# KiCad board jorian.kicad_pcb (continued)
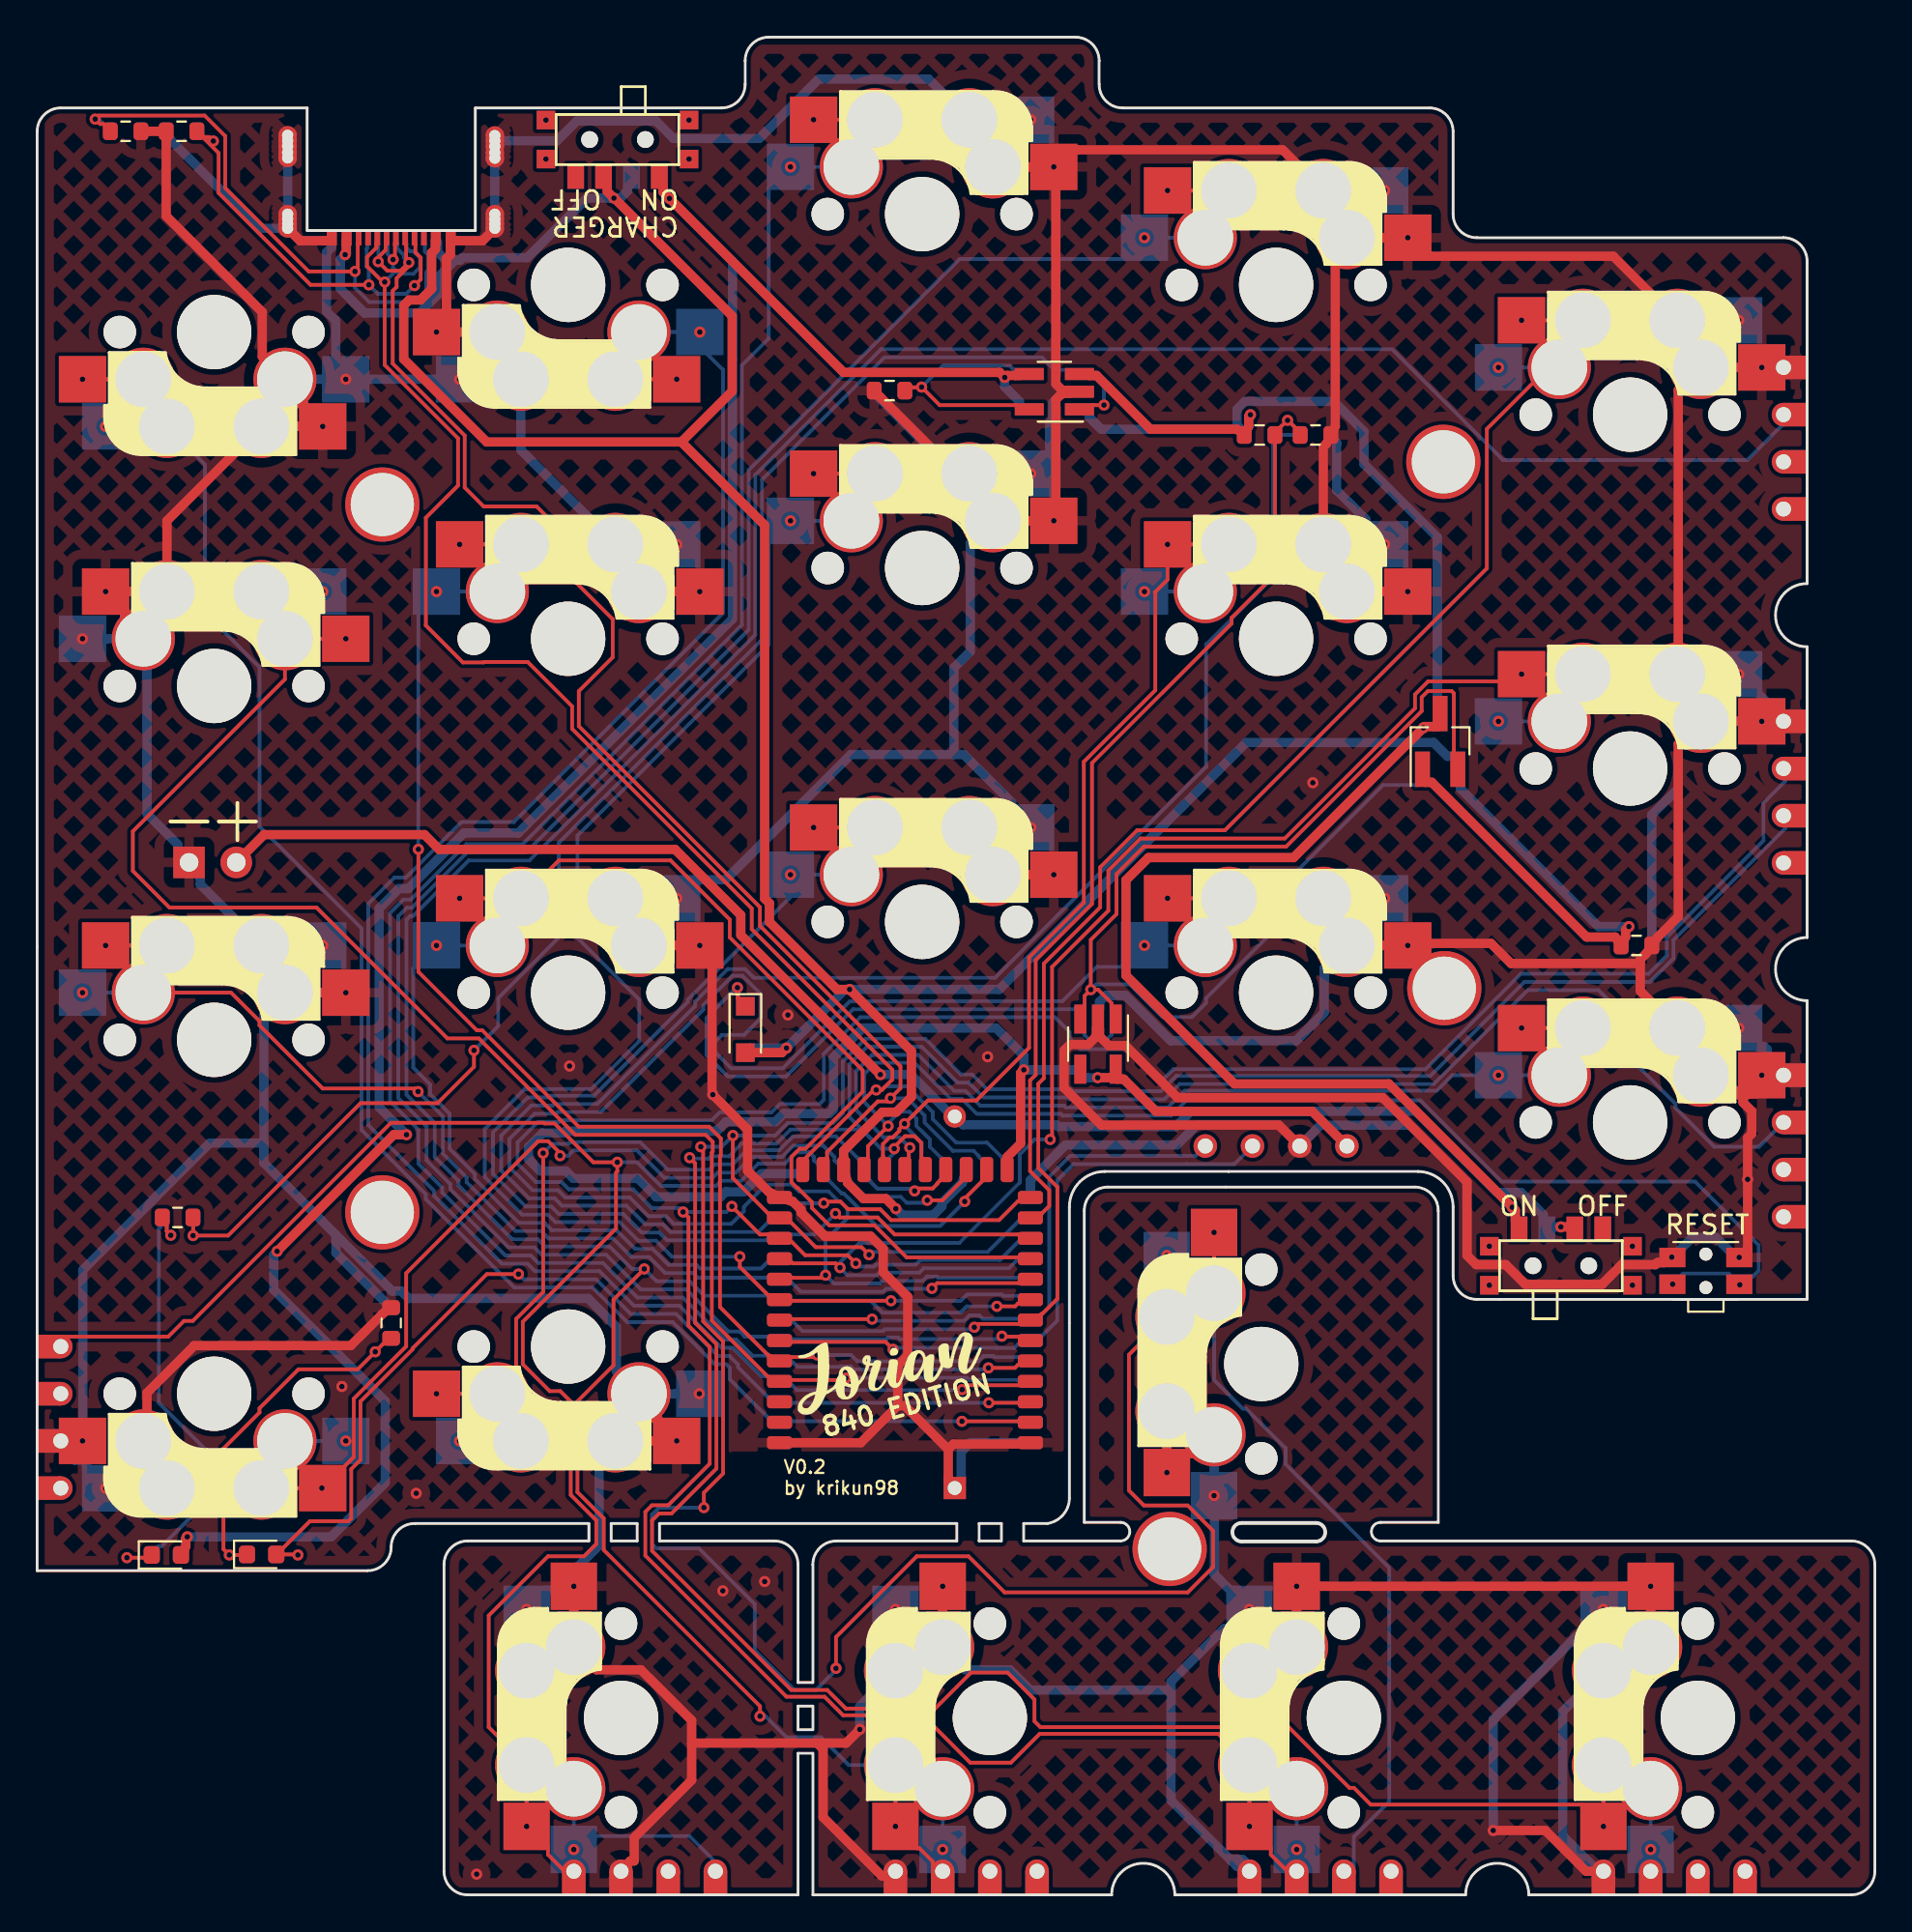
[diagram p0: board, top side]
## Routing (per net, layer and track width the routed paths; a pad name or vN(x,y) marks a point on that pad's centre or on a via; arc(x,y) is an arc through that point) (continued)
  vias: v1(16.4,27.37) v1(20.4,21.62) v1(23.65,1.12) v1(28.65,44.62) v1(36.9,16.37) v1(39.15,16.87) v1(40.4,47.37) v1(51.15,45.12) v1(68.65,59.87)
VBAT: length 83.1
  Top w0.5: v1(45.38,44.15) 37.87,51.67 37.87,52.74 34.33,56.28 21.64,56.28 20.84,57.07 12.21,57.07 J2.2 ; v1(82,35.96) 82.55,35.96 SW23.2
  Bottom w0.5: v1(82,35.96) 81.45,35.96 SW23.2 81.05,36.27 81.05,36.62 79.86,37.81 78.56,37.81 74.19,42.18 62.09,42.18 61.27,41.35 54.94,41.35 54.84,41.45 49.83,41.45 BT1.1 49.27,41.9 47.02,44.15 v1(45.38,44.15)
VBAT2: length 104.2
  Top w0.5: SW23.1 79.55,36.27 79.55,36.85 v1(79.38,37.02) 72.74,43.66 64.43,43.66 58.6,49.49 58.6,54.63 59.8,55.84 67.61,55.84 v1(74.6,62.82) 74.67,62.89 75.35,62.89 Q1.3 ; v1(65.29,79.68) 65.2,79.58 65.2,79.05 R5.1 64.57,78.9 59.9,78.9 57.01,81.79 56.62,81.79 U2.3
  Bottom w0.5: R5.1 65.2,79.05 65.2,79.58 v1(65.29,79.68) ; R5.1 64.57,78.9 57.26,78.9 56.62,79.54 56.62,79.89 U2.3 ; R5.1 64.65,79.02 64.58,79.1 64.58,79.97 65,80.39 69.79,80.39 71.4,78.78 71.4,77.03 75.35,73.08 75.35,64.29 Q1.3 75.35,62.89 74.67,62.89 v1(74.6,62.82) ; SW23.1 79.55,36.27 79.55,36.85 v1(79.38,37.02)
VBUS: length 203.1
  Top w0.5: v1(16.57,88.29) 16.63,88.35 16.63,89.04 J1.A4 ; J1.A4 21.44,89.04 21.44,88.59 21.23,88.39 21.23,86.46 20.63,85.85 20.02,85.85 19.72,85.56 19.72,82.67 24.19,78.21 34.67,78.21 ; v1(46.21,36.94) 45.67,37.48 44.46,37.48 43.61,38.33 43.61,38.37 U1.22 43.4,40.05 45.48,42.13 46.23,42.13 47.05,42.95 47.05,45.41 v1(43.72,48.74) 43.04,48.74 39.4,52.37 39.4,53.38 39.15,53.63 39.15,73.73 34.67,78.21 ; SW24.2 30.68,92.09 30.68,91.69 v1(31.04,91.33) 31.06,91.33 37.4,84.99 37.4,80.94 34.67,78.21 ; D2.2 40.07,45.34 v1(40.32,45.59) ; Q1.1 74.7,59.89 75.05,59.89 83.38,51.56 84.92,51.56 84.93,51.54 R7.1 85.48,51.57 85.48,51.94 v1(85.66,52.12)
  Bottom w0.5: J1.A4 21.48,89.04 ; SW24.2 31.78,92.09 31.78,91.73 31.38,91.33 v1(31.04,91.33) 29.58,91.33 26.38,88.13 22.89,88.13 22.76,88 22.49,88 ; 50,39.04 49.79,38.37 49.79,38.33 48.69,37.23 48.69,37.06 48.23,36.6 46.55,36.6 v1(46.21,36.94) ; J1.A4 16.65,89.04 16.65,88.36 v1(16.57,88.29) 16.31,88.03 16.31,86.46 17.63,85.15 20.57,85.15 21.54,86.12 21.54,87.04 22.49,88 ; 22.49,88 21.99,88 21.54,88.44 21.54,88.96 21.47,89.04 ; R7.1 85.48,51.57 85.48,51.94 v1(85.66,52.12) 84.01,52.12 76.6,59.54 76.6,59.89 76.3,61.29 75.89,61.29 75.15,62.03 65.07,62.03 51.77,48.74 v1(43.72,48.74) 43.48,48.74 v1(40.32,45.59) 38.36,45.59 D2.2
VBUS_C: length 129.5
  Top w0.5: SW24.1 33.68,92.09 33.68,91.67 v1(34.03,91.32) 43.39,81.95 51.8,81.95 v1(52.07,81.68) 52.18,81.79 52.86,81.79 U2.4 ; v1(19.88,40.92) 19.19,40.92 v1(12.91,34.64) ; D1.2 8,18.77 8,19.2 v1(8.08,19.27)
  Bottom w0.5: SW24.1 33.68,92.09 33.68,91.67 v1(34.03,91.32) 37.43,87.92 37.43,82.67 37.42,82.66 37.42,68.68 25.89,57.16 22.96,57.16 19.97,54.17 19.47,54.17 18.4,53.1 18.4,42.39 v1(19.88,40.92) ; v1(12.91,34.64) 12.73,34.46 12.73,32.58 18.73,26.58 18.73,22.19 15.82,19.27 v1(8.08,19.27) 8,19.19 8,18.77 D1.2 ; U2.4 52.86,80.04 52.86,80.39 52.07,81.18 v1(52.07,81.68)
(no net):
  vias: v1(27.38,95.54) v1(27.38,93.44) v1(35.08,95.54) v1(35.08,93.44) v1(78.15,34.92) v1(78.15,32.82) v1(85.85,34.92) v1(85.85,32.82)
BATTERY_PIN: length 137.7
  Top w0.2: 53.45,36.44 54.09,36.71 54.47,37.08 54.47,37.93 53.43,38.96 53.43,43.84 53.74,44.14 53.74,50.31 56.77,53.34 56.77,60.93 64.28,68.44 64.28,68.74 66.61,71.08 R5.2 66.92,79.02 67.27,79.37 v1(67.29,79.37) 67.31,79.37 67.66,79.02 R6.1
  Bottom w0.2: v1(67.29,79.37) 67.31,79.37 67.66,79.02 R6.1 R5.2 66.51,78.21 66.51,70.92 62.91,67.32 62.91,60.72 51.55,49.37 38.57,49.37 38.1,49.83 37.16,49.83 35.41,48.09 35.41,47.84 30.15,42.58 27.83,42.58 27.74,42.49 26.59,42.49 24.97,40.87 24.97,38.99 26.47,37.49 27.85,37.49 28.25,37.1 31.72,37.1 32.72,36.09 33.67,36.09 34.08,35.68 38.82,35.68 39.31,36.17 39.95,36.44
BLUE_LED: length 55.5
  Top w0.2: v1(25.9,33.41) 24.2,33.41 20.22,29.43 20.22,29.38 17.4,26.56 17.4,23.42 16.9,22.92 16.9,20.27 16.75,20.12 14.68,20.12 13.27,18.7 D3.2 14,18.33 v1(14.03,18.3) ; v1(51.21,26.49) 52.87,26.49 U1.3
  Bottom w0.2: v1(25.9,33.41) 26.18,33.14 30.07,33.14 31.94,31.27 34.38,31.27 36.65,29.01 37.26,29.01 37.72,28.55 37.72,28.4 39.31,26.81 U1.3 40.53,26.49 v1(51.21,26.49) ; v1(14.03,18.3) 14,18.33 D3.2
CC1: length 24.4
  Top w0.2: v1(20.31,86.63) 20.64,86.96 20.64,88.13 20.36,88.42 20.36,88.89 J1.A5 ; v1(9.48,94.41) 9.27,94.62 8.99,94.62 R2.1 9.76,93.77 9.76,91.62 14.71,86.67 v1(17.85,86.67)
  Bottom w0.2: v1(20.31,86.63) 19.86,86.18 18.34,86.18 v1(17.85,86.67) 17.85,87.53 17.73,87.66 17.73,88.6 17.77,88.64 17.77,88.89 J1.A5 ; R2.1 8.99,94.62 9.27,94.62 v1(9.48,94.41)
CC2: length 31.5
  Top w0.2: R1.1 3.57,95.32 3.57,95.33 3.39,95.33 v1(3.12,95.59) 3.31,95.78 9.01,95.78 10.12,94.67 10.12,91.88 14.61,87.39 v1(17.1,87.39) 17.26,87.54 17.26,88.89 J1.B5
  Bottom w0.2: R1.1 3.57,95.32 3.3,95.59 v1(3.12,95.59) ; v1(17.1,87.39) 17.1,86.51 17.87,85.74 20.32,85.74 20.95,86.36 20.95,87.35 21.03,87.44 21.03,88.29 20.87,88.46 20.87,88.89 J1.B5
DATA+: length 84.7
  Top w0.2: v1(19.15,88.03) 19.26,88.13 19.26,88.89 J1.A6 ; U1.24 41.41,39.71 41.41,39.72 45.02,43.33 v1(45.15,43.33) 45.45,43.33 46.02,43.89 46.02,44.42 38.46,51.98 38.46,53.1 28.79,62.76 28.79,63.97 26.4,66.37 24.05,66.37 24.02,66.34 22.91,66.34 20.92,68.34 20.92,74.13 22.65,75.87 22.65,78.4 18.7,82.35 v1(18.7,86.82) 18.6,86.82 17.75,87.67 17.75,88.16 18.26,88.67 18.26,88.89 J1.B6
  Bottom w0.2: J1.B6 19.87,88.89 19.87,88.68 20.07,88.47 20.25,88.47 20.61,88.12 20.61,87.62 20.25,87.26 19.47,87.26 19.3,87.43 ; 19.3,87.43 19.15,87.58 v1(19.15,88.03) 18.87,88.32 18.87,88.89 J1.A6 ; 19.3,87.43 18.7,86.83 v1(18.7,86.82) ; v1(45.15,43.33) 45.46,43.33 45.66,43.52 46.81,43.52 48.2,42.14 48.2,41.75 49.46,40.5 51.12,40.5 51.93,39.68 U1.24
DATA-: length 80.5
  Top w0.2: v1(20,87.87) 19.56,87.42 18.85,87.42 v1(18.35,87.92) 18.35,88.14 18.76,88.54 18.76,88.89 J1.A7 ; v1(20,87.87) 20,87.68 19.34,87.02 19.34,86.55 19.13,86.34 19.13,82.43 23.01,78.55 23.01,75.76 24.03,74.74 26.88,74.74 28.08,73.54 28.08,71.57 30.97,68.67 30.97,66.62 29.15,64.8 29.15,62.91 38.9,53.17 38.9,52.16 46.46,44.6 46.46,43.42 v1(45.92,42.88) 45.75,42.71 45.24,42.71 42.51,39.98 42.51,39.71 42.3,39.04 ; v1(20,87.87) 19.86,88.01 19.86,88.89 J1.B7
  Bottom w0.2: U1.23 50.78,39.64 50.68,39.74 50.68,39.77 50.4,40.05 49.28,40.05 47.76,41.57 47.76,41.96 46.83,42.88 v1(45.92,42.88) ; v1(18.35,87.92) 18.35,88.89 J1.B7 ; v1(20,87.87) 19.73,88.14 19.73,88.27 19.37,88.64 19.37,88.89 J1.A7
nRF_VDD: length 75.1
  Top w0.5: v1(53.1,44.41) 52.92,44.24 52.92,40.44 52.2,39.72 U1.14 ; v1(57.07,43.99) 57.96,43.99 U3.5 58.12,43.92 58.47,43.92 60.21,42.18 68.62,42.18 JP16.1
  Bottom w0.5: v1(57.07,43.99) 56.21,43.99 56.14,44.45 56.07,44.41 v1(53.1,44.41) 53.1,45.17 51.6,46.66 44.44,46.66 42.85,45.07 42.85,42.28 42.62,42.06 40.18,42.06 39.73,41.62 37.06,41.62 36.56,41.11 28.43,41.11 28.35,41.02 27.2,41.02 26.44,40.26 26.44,39.6 27.08,38.96 28.46,38.96 28.86,38.57 32.32,38.57 33.32,37.57 36.78,37.57 37.06,37.85 38.02,37.85 38.99,38.82 41.1,38.82 U1.14
PROG: length 14.5
  Top w0.2: v1(42.33,37.24) 42.41,37.32 43.23,37.32 43.64,36.9 45.37,36.9 45.96,36.32 51.76,36.32 52.77,37.33 52.78,37.33 U1.13
  Bottom w0.2: U1.13 40.62,37.33 40.71,37.24 v1(42.33,37.24)
R1C1: length 199.1
  Top w0.2: U1.8 52.78,31.83 52.63,31.68 v1(51.65,31.68) ; SW19.1 v1(46.19,3.68) ; v1(46.19,3.68) 47.34,2.51 47.48,2.51 48.2,1.79 48.2,1.27 48.73,0.64 ; v1(46.19,3.68) 47.34,4.86 47.87,4.86 SW19.1 ; v1(32.67,33.69) 31.02,32.04 31.02,28.5 29.07,26.56 29.07,21.68 30.49,20.26 30.49,18.56 38.9,10.16 v1(38.9,9.62)
  Bottom w0.2: SW19.1 v1(48.73,2.44) 48.76,2.05 48.76,1.17 48.73,0.64 ; E5.2 93.98,79.15 93.94,79.15 92.03,77.24 78.88,77.24 72.92,83.2 45.41,83.2 38.65,76.44 38.65,67.83 26.5,55.69 23.23,55.69 20.24,52.7 20.07,52.7 19.87,52.5 19.87,43.07 21.4,41.55 21.4,39.72 22.68,38.44 22.68,38.18 25.56,35.29 26.94,35.29 27.34,34.9 30.8,34.9 32.01,33.69 v1(32.67,33.69) 33.33,33.03 35.11,33.03 35.89,32.25 39.28,32.25 U1.8 40.53,31.97 44.86,31.97 45.49,31.34 49.69,31.34 50.03,31.68 v1(51.65,31.68) ; v1(38.9,9.62) 39.2,9.62 40.32,8.49 42.17,8.49 43.68,6.99 SW19.1
R1C2: length 91
  Top w0.2: SW5.1 v1(79.88,84.76) 81.06,83.61 81.06,83.08 SW5.1 81.33,82.22 78.02,78.91 78.02,71.4 63.92,57.31 59.2,57.31 57.21,55.31 57.21,53.16 54.18,50.13 54.18,43.96 53.87,43.66 53.87,39.13 54.91,38.1 54.91,32.09 54.1,31.28 54.07,31.28 54.05,31.26 53.45,30.94 52.78,30.73 50.61,30.73 v1(50.43,30.55)
  Bottom w0.2: v1(78.64,82.22) SW5.1 ; v1(50.43,30.55) 50.33,30.45 45.61,30.45 45.51,30.35 41.18,30.35 40.67,30.87 40.53,30.87 39.95,30.94
R1C3: length 120.9
  Top w0.2: SW4.1 v1(60.83,91.75) 62.01,90.6 62.01,90.06 SW4.1 ; U1.6 52.78,30.05 51.94,30.05 v1(51.92,30.07)
  Bottom w0.2: v1(51.92,30.07) 51.76,29.91 46.42,29.91 46.32,30.01 45.79,30.01 45.7,29.91 40.53,29.91 U1.6 39.28,30.05 38.08,30.05 37.81,30.33 37.19,30.33 34.93,32.59 32.49,32.59 30.62,34.46 27.15,34.46 26.76,34.85 25.38,34.85 22.24,37.99 22.24,38.26 20.96,39.54 20.96,41.37 19.43,42.89 19.43,52.68 19.89,53.14 20.17,53.14 23.16,56.13 26.32,56.13 38.29,68.1 38.29,76.7 49.64,88.06 58.41,88.06 v1(59.59,89.21) SW4.1
R1C4: length 112.9
  Top w0.2: SW3.1 42.96,93.87 42.96,94.41 v1(41.78,95.56) SW3.1 ; 53.45,28.74 52.78,28.53 52.62,28.37 v1(51.19,28.37)
  Bottom w0.2: SW3.1 v1(40.54,93.02) 39.37,91.87 39.37,83.78 37.93,82.34 37.93,68.36 26.13,56.57 23.09,56.57 20.1,53.58 19.71,53.58 18.99,52.86 18.99,42.71 20.52,41.18 20.52,39.35 21.8,38.07 21.8,37.81 25.19,34.41 26.57,34.41 26.97,34.02 30.44,34.02 32.3,32.15 34.75,32.15 37.01,29.89 37.62,29.89 38.49,29.02 39.3,29.02 39.31,29.01 39.95,28.74 40.53,28.67 40.67,28.67 40.91,28.42 43.22,28.42 43.25,28.45 43.78,28.45 43.95,28.29 51.11,28.29 v1(51.19,28.37)
R1C5: length 104.7
  Top w0.2: U1.4 52.78,27.43 50.01,27.43 v1(49.78,27.2) ; SW2.1 v1(34.42,81.59) 33.24,82.74 33.24,82.84 32.38,83.69 SW2.1
  Bottom w0.2: SW2.1 v1(35.66,84.13) 36.03,82.98 36.91,82.1 36.91,69.01 25.65,57.75 22.83,57.75 19.84,54.76 19.22,54.76 17.81,53.35 17.81,41.43 21.36,37.89 21.36,37.63 25.01,33.97 26.39,33.97 26.79,33.58 30.26,33.58 32.12,31.71 34.56,31.71 36.83,29.45 37.44,29.45 38.97,27.92 39.3,27.92 39.31,27.91 U1.4 40.62,27.43 40.63,27.43 40.89,27.17 49.75,27.17 v1(49.78,27.2)
R1C6: length 95.2
  Top w0.2: v1(49.77,25.49) 52.87,25.49 53.45,25.44 ; v1(2.44,81.59) SW1.2
  Bottom w0.2: SW1.2 4.86,80.73 4.86,80.2 v1(3.68,79.05) SW1.2 9.03,77 9.03,69.03 11.97,66.09 11.97,57.51 17.45,52.02 17.45,41.17 20.92,37.71 20.92,37.45 25.67,32.69 27.26,32.69 27.26,32.7 29.89,32.7 31.76,30.83 34.2,30.83 36.46,28.57 37.08,28.57 37.28,28.37 37.28,27.74 39.31,25.71 39.95,25.44 40.53,25.49 v1(49.77,25.49)
R2C0: length 221
  Top w0.2: v1(42.99,12.2) 42.99,13.88 47.34,18.23 50.12,18.23 52.07,16.28 61.92,16.28 63.29,17.65 63.29,19.59 61.92,20.96 59.56,20.96 58.75,21.77 58.75,29.07 SW22.2 ; v1(63.34,35.66) SW22.2 ; v1(35.88,20.85) 35.88,21.65 36.91,22.68 36.91,29.8 35.84,30.87 35.84,40.14 v1(35.71,40.27) ; v1(37.44,40.87) 37.44,38.58 39.31,36.71 39.95,36.44 40.59,36.17 41.9,34.87 44.36,34.87 v1(44.77,34.46)
  Bottom w0.2: v1(35.88,20.85) 33.46,20.85 33.09,20.48 33.09,18.88 33.32,18.65 35.61,18.65 38.62,15.65 38.62,13.17 40.75,11.03 41.91,11.03 42.99,12.11 v1(42.99,12.2) ; E10.3 94.08,57.56 94.08,57.41 88.06,51.39 88.06,50.41 86.79,49.14 80.03,49.14 74.98,44.09 61.3,44.09 60.48,43.26 55.73,43.26 55.63,43.36 51.11,43.36 50.32,44.16 49.71,44.16 47.79,46.08 44.58,46.08 43.35,44.86 43.35,42.07 42.84,41.55 40.39,41.55 39.71,40.87 v1(37.44,40.87) 36.84,40.27 v1(35.71,40.27) ; v1(44.77,34.46) 44.92,34.61 51.15,34.61 52.77,36.23 52.78,36.23 53.45,36.44 ; E20.3 70.85,1.17 70.85,3.12 72.76,5.03 72.76,17.6 67.19,23.17 67.19,24.04 65.05,26.18 64.88,26.18 63.34,27.72 SW22.2 62.9,32.39 62.04,33.24 61.95,33.24 v1(60.79,34.42) SW22.2
R2C1: length 190.6
  Top w0.2: v1(37.39,37.06) 38.9,35.55 39.28,35.55 U1.27 40.62,35.13 40.63,35.13 41.33,34.43 43.62,34.43 v1(44.06,33.99) ; v1(65.24,3.68) 66.39,2.51 66.39,2.17 67.25,1.31 67.25,1.27 E20.2 ; v1(65.24,3.68) SW20.1 63.56,8.67 53.95,8.67 52.4,7.12 50.22,7.12 47.66,9.67 43.37,9.67 42.37,10.67 40.32,10.67 32.73,18.26 32.73,20.62 33.08,20.97 33.96,20.97 36.19,23.21 36.19,29.5 35.05,30.64 35.05,36.47 v1(34.76,36.76) ; v1(65.24,3.68) 66.39,4.86 66.92,4.86 67.78,5.72
  Bottom w0.2: 67.78,5.72 v1(67.78,2.44) 67.75,2.05 67.75,1.27 E20.2 ; U1.27 52.78,35.13 52.77,35.13 51.81,34.17 47.52,34.17 47.28,33.93 45.14,33.93 45.03,33.82 44.23,33.82 v1(44.06,33.99) ; v1(37.39,37.06) 37.09,36.76 v1(34.76,36.76) 34.55,36.97 33.08,36.97 32.08,37.98 28.61,37.98 28.21,38.37 26.83,38.37 25.85,39.36 25.85,40.5 26.96,41.61 28.1,41.61 28.19,41.7 36.31,41.7 36.74,42.12 39.52,42.12 39.97,42.57 42.1,42.57 42.34,42.8 42.34,45.28 44.3,47.24 54.77,47.24 55.56,46.46 55.56,46.11 56.14,45.52 58.63,45.52 60.43,43.72 61.15,44.45 74.71,44.45 79.85,49.58 86.72,49.58 87.7,50.56 87.7,51.54 92.9,56.74 92.9,58.77 94.08,59.95 94.08,60.1 E10.2
R2C2: length 82.1
  Top w0.2: SW10.1 v1(79.88,65.71) ; SW10.1 81.06,64.03 81.06,64.56 v1(79.88,65.71) ; v1(54.51,40.66) 54.62,40.77 54.62,49.95 57.65,52.98 57.65,55.13 59.38,56.87 67.14,56.87 74.15,63.87 74.15,64.62 74.85,65.32 78.71,65.32 v1(79.88,65.71) ; 39.95,34.24 40.62,34.03 40.63,34.03 40.66,33.99 42.98,33.99 v1(43.21,33.76)
  Bottom w0.2: SW10.1 v1(78.64,63.17) ; v1(54.51,40.66) 53.69,40.66 52.88,39.86 52.88,38.35 49.63,35.1 44.26,35.1 43.21,34.05 v1(43.21,33.76) 43.62,33.35 45.18,33.35 45.32,33.49 47.47,33.49 47.7,33.73 52.3,33.73 52.73,34.17 52.87,34.17 53.45,34.24
R2C3: length 54.5
  Top w0.2: U1.20 45.52,39.62 45.52,39.76 45.52,39.77 45.52,40.42 45.87,40.78 46.04,40.78 46.4,41.13 46.4,41.23 v1(46.68,41.51) 47.93,42.76 50.54,42.76 53.38,45.59 53.38,50.46 56.33,53.41 56.33,60.99 60.17,64.84 60.17,70.09 60.15,70.12 60.83,70.8 v1(60.83,72.7) ; SW9.1 62.01,71.01 62.01,71.55 v1(60.83,72.7) ; v1(60.83,72.7) SW9.1
  Bottom w0.2: 47.8,39.04 47.59,39.71 47.59,39.95 47.6,39.96 47.6,40.49 46.68,41.41 v1(46.68,41.51) ; v1(59.59,70.16) SW9.1
R2C4: length 89.5
  Top w0.2: SW8.1 42.96,74.82 42.96,75.36 v1(41.78,76.51) SW8.1 ; v1(37.81,34.35) 37.81,33.8 39.31,32.31 U1.30 40.53,31.98 v1(45.95,31.98)
  Bottom w0.2: v1(37.81,34.35) 34.16,34.35 33.3,35.21 32.35,35.21 31.35,36.22 27.88,36.22 27.48,36.61 26.1,36.61 24.09,38.63 24.09,41.23 26.23,43.37 27.49,43.37 27.49,43.38 29.82,43.38 32.4,45.96 32.4,48.19 29.07,51.52 29.07,57.02 39.37,67.31 39.37,72.82 v1(40.54,73.97) SW8.1 ; U1.30 52.78,32.25 51.99,32.25 51.91,32.32 50.05,32.32 49.71,31.98 v1(45.95,31.98)
R2C5: length 78.1
  Top w0.2: v1(20.52,56.28) 20.52,49.69 23.66,46.54 23.95,46.54 29.14,41.35 36.16,41.35 36.79,40.72 36.79,39.82 36.75,39.77 36.75,31.64 39.3,29.08 39.33,29.08 39.35,29.06 39.95,28.74 40.62,28.95 41.86,28.95 v1(41.97,29.06) ; SW7.1 v1(22.73,72.7) 23.91,71.55 23.91,71.01 SW7.1
  Bottom w0.2: SW7.1 v1(21.49,70.16) 20.52,69.01 v1(20.52,56.28) ; 53.45,28.74 52.78,28.95 51.51,28.95 51.46,29.01 50.93,29.01 50.65,28.73 44.13,28.73 43.8,29.06 v1(41.97,29.06)
R2C6: length 91.5
  Top w0.2: v1(16.61,67.62) SW6.2 13.34,65.43 5.15,57.25 5.15,55.12 7.12,53.15 15.04,53.15 22.08,46.1 23.77,46.1 28.96,40.91 35.98,40.91 36.35,40.53 36.35,40 36.31,39.96 36.31,30.91 39.31,27.91 U1.34 40.53,27.72 43.42,27.72 v1(43.52,27.81)
  Bottom w0.2: 15.53,70.03 15.5,70.03 v1(15.37,70.16) ; v1(15.37,70.16) SW6.2 ; v1(15.37,70.16) 14.19,69.01 14.19,68.91 13.34,68.05 SW6.2 ; U1.34 52.87,27.72 50.16,27.72 50.04,27.84 43.54,27.84 v1(43.52,27.81)
R3C1: length 174.6
  Top w0.2: v1(84.29,3.68) 84.29,6.99 ; v1(84.29,3.68) 83.14,4.86 71.77,4.86 70.86,5.76 70.62,5.76 67.35,9.03 53.99,9.03 53.67,9.35 53.67,10.52 52.22,11.97 50.26,11.97 48.32,10.02 43.52,10.02 42.52,11.03 40.59,11.03 33.09,18.52 33.09,20.16 33.47,20.53 34.14,20.53 36.55,22.94 36.55,29.65 35.41,30.79 35.41,39.39 v1(35.12,39.68) ; v1(84.29,3.68) 85.44,4.86 85.97,4.86 86.83,5.72 ; 47.8,39.04 47.59,39.71 47.58,39.72 47.58,40.48 47.22,40.84 46.71,40.84 46.12,40.25 v1(46.12,40.17)
  Bottom w0.2: U1.18 45.87,39.68 46.12,39.94 v1(46.12,40.17) 45.41,40.17 44.43,41.15 ; v1(35.12,39.68) 35.17,39.63 36.14,39.63 36.27,39.76 37.23,39.76 37.91,40.44 39.79,40.44 40.54,41.19 44.38,41.19 44.43,41.15 ; 44.43,41.15 43.71,41.86 43.71,44.71 44.66,45.65 47.6,45.65 49.53,43.72 50.13,43.72 50.93,42.92 55.45,42.92 55.55,42.82 60.66,42.82 61.48,43.65 75.16,43.65 80.21,48.7 84.03,48.7 85.23,47.51 85.23,45.53 88.17,42.59 88.17,42.36 90.26,40.26 92.65,40.26 93.97,41.58 E15.2 ; 86.83,5.72 v1(86.83,2.44) E21.2
R3C2: length 55.1
  Top w0.2: SW15.1 v1(79.88,46.66) 81.06,45.51 81.06,44.98 SW15.1 ; v1(46.96,40.22) 46.91,40.17 46.91,39.71 U1.19
  Bottom w0.2: U1.19 46.91,39.71 46.91,40.17 v1(46.96,40.22) 46.41,40.78 45.54,40.78 44.07,42.25 44.07,44.35 44.94,45.22 47.41,45.22 49.35,43.28 49.95,43.28 50.75,42.48 55.27,42.48 55.37,42.38 60.85,42.38 61.75,43.29 75.31,43.29 76.14,44.12 v1(78.64,44.12) SW15.1
R3C3: length 99.3
  Top w0.2: U1.29 40.53,33.22 42.29,33.22 v1(42.43,33.36) ; SW14.1 62.01,51.96 62.01,52.5 v1(60.83,53.65) SW14.1
  Bottom w0.2: U1.29 52.87,33.22 48.49,33.22 48.42,33.29 47.89,33.29 47.65,33.05 45.5,33.05 45.36,32.91 42.87,32.91 v1(42.43,33.36) 42.43,35.24 43.6,36.41 43.6,36.94 43.23,37.32 43.14,37.32 42.59,37.86 41,37.86 40.71,38.16 40.7,38.16 40.62,38.23 39.24,38.23 38.03,37.02 38.03,36.79 37.35,36.12 34.26,36.12 33.85,36.53 32.9,36.53 31.9,37.54 28.43,37.54 28.03,37.93 26.65,37.93 25.41,39.18 25.41,40.68 26.78,42.05 27.92,42.05 28.01,42.14 30.33,42.14 35.85,47.66 35.85,47.9 37.42,49.48 37.95,49.48 38.95,48.48 38.95,47.19 38.04,46.29 36.84,46.29 36.47,45.91 36.47,45.38 37.36,44.49 40.13,44.49 43.74,48.11 55.18,48.11 57.02,49.96 58.41,49.96 v1(59.59,51.11) SW14.1
R3C4: length 66.1
  Top w0.2: SW13.1 v1(41.78,57.46) 42.96,56.31 42.96,55.77 SW13.1 ; U1.11 52.78,35.55 46.14,35.55 45.23,36.46 43.17,36.46 v1(42.96,36.68)
  Bottom w0.2: v1(42.96,36.68) 41.83,35.55 40.62,35.55 U1.11 39.37,35.27 39.23,35.27 39.21,35.24 33.9,35.24 33.48,35.65 32.54,35.65 31.53,36.66 28.07,36.66 27.67,37.05 26.29,37.05 24.53,38.81 24.53,41.05 26.41,42.93 27.56,42.93 27.64,43.02 29.97,43.02 35.01,48.07 35.01,48.2 40.54,53.72 v1(40.54,54.92) SW13.1
R3C5: length 90
  Top w0.2: SW12.1 23.91,51.96 23.91,52.5 v1(22.73,53.65) SW12.1 28.08,55.69 34.09,55.69 37.28,52.5 37.28,51.53 44.42,44.39 44.42,43.24 41.35,40.17 41.04,40.17 40.59,39.72 40.59,38.36 40.9,38.06 40.93,38.06 41.69,37.29 41.69,36.98 42.63,36.04 45.06,36.04 46.79,34.32 52.87,34.32 53.45,34.24
  Bottom w0.2: 39.95,34.24 39.28,34.03 39.27,34.03 38.96,33.71 35.67,33.71 35.48,33.91 33.98,33.91 33.12,34.77 32.17,34.77 31.17,35.78 27.7,35.78 27.3,36.17 25.92,36.17 23.56,38.54 23.56,38.8 22.2,40.16 22.2,42.05 21.15,43.1 21.15,43.62 20.23,44.53 20.23,49.85 v1(21.49,51.11) SW12.1
R3C6: length 66
  Top w0.2: SW11.1 v1(3.68,51.11) 4.86,49.96 4.86,49.42 SW11.1 10.44,48.57 11.97,47.04 11.97,46.81 15.36,43.41 20.33,43.41 v1(20.5,43.24) ; U1.9 52.78,32.93 48.43,32.93 v1(48.15,32.65)
  Bottom w0.2: v1(48.15,32.65) 48.12,32.62 45.68,32.62 45.54,32.47 41.09,32.47 40.63,32.93 40.62,32.93 U1.9 39.37,33.22 35.55,33.22 35.29,33.47 33.8,33.47 32.94,34.33 31.99,34.33 30.99,35.34 27.52,35.34 27.12,35.73 25.74,35.73 23.12,38.36 23.12,38.62 21.84,39.9 21.84,41.9 v1(20.5,43.24) ; v1(2.44,48.57) SW11.1
R4C5: length 49.3
  Top w0.2: v1(47.22,37.89) 47.35,38.03 48.19,38.03 48.44,38.27 48.44,38.3 48.58,38.44 U1.17 ; v1(27.23,39.93) 27.23,32.45 25.78,31 25.78,27.99 SW17.2 v1(21.49,26.98)
  Bottom w0.2: SW17.2 v1(22.73,24.44) 23.91,25.59 23.91,26.12 SW17.2 ; v1(47.22,37.89) 47.1,38.02 45.22,38.02 44.84,38.4 44.84,38.42 44.82,38.44 44.5,39.04 44.18,39.64 42.99,40.83 40.69,40.83 39.94,40.08 38.19,40.08 37.42,39.32 36.45,39.32 36.17,39.04 33.93,39.04 32.45,40.52 28.68,40.52 28.59,40.43 27.73,40.43 v1(27.23,39.93)
R4C6: length 60.7
  Top w0.2: 50,39.04 49.73,38.4 48.72,37.39 v1(47.9,37.39) ; SW16.1 14.19,23.05 14.19,23.15 13.34,24 SW16.1 ; SW16.1 v1(15.32,21.9) SW16.1 ; SW16.1 17.04,23.57 17.04,26.71 19.86,29.53 19.86,33.46 26.97,40.57 27.5,40.57 28.14,39.93 v1(28.14,39.79)
  Bottom w0.2: v1(28.14,39.79) 28.57,39.79 28.86,40.08 32.27,40.08 33.75,38.6 36.35,38.6 36.63,38.88 37.6,38.88 38.44,39.72 40.09,39.72 40.7,40.33 42.3,40.33 42.91,39.72 42.91,39.53 U1.16 43.72,38.44 43.74,38.42 43.74,38.39 44.56,37.58 46.47,37.58 46.8,37.25 47.77,37.25 v1(47.9,37.39) ; v1(16.61,24.44) SW16.1
R4C7: length 126.7
  Top w0.2: v1(26.34,3.68) SW18.1 24.3,9.03 24.3,15.04 27.49,18.23 29.43,18.23 30.09,18.88 30.09,20.16 28.72,21.53 28.72,26.55 28.15,27.12 27.58,27.12 26.13,28.56 26.13,30.85 31.15,35.87 31.15,38.87 31.22,38.94 v1(31.22,39.44) 29.93,39.44 27.84,41.52 27.31,41.52 27.27,41.56 19.04,41.56 8.37,30.9 7.9,30.9 7.06,30.05 1.27,30.05 E16.1 ; v1(26.34,3.68) 27.49,2.51 27.49,2.17 28.35,1.31 28.35,1.27 E18.4 ; v1(26.34,3.68) 27.49,4.86 28.02,4.86 28.88,5.72 ; U1.15 50.83,38.4 49.92,37.48 v1(49.92,37.33)
  Bottom w0.2: E18.1 36.5,1.77 35.1,3.17 29.6,3.17 v1(28.88,2.44) ; E18.4 v1(28.88,2.44) ; v1(28.88,2.44) 28.88,5.72 ; v1(31.22,39.44) 32.29,39.44 33.57,38.16 36.53,38.16 36.81,38.44 37.89,38.44 38.82,39.37 40.24,39.37 40.85,39.97 41.55,39.97 41.81,39.72 41.81,39.53 42.3,39.04 42.62,38.44 42.64,38.42 42.64,38.41 43.3,37.76 43.41,37.76 45.16,36.01 48.6,36.01 v1(49.92,37.33)
reset: length 71.6
  Top w0.2: RSW1.1 91.6,32.87 v1(91.63,32.84) ; v1(45.79,41.38) 44.71,40.3 44.71,39.71 44.5,39.04 ; 88,32.87 v1(88.01,32.87)
  Bottom w0.2: v1(88.01,32.87) 88,32.87 88.57,33.44 91.03,33.44 RSW1.1 ; RSW1.1 91.6,32.87 v1(91.63,32.84) ; RSW1.1 92.2,33.3 92.34,33.3 92.64,33.59 92.64,34.98 89.22,38.4 78.81,38.4 74.44,42.77 61.85,42.77 61.03,41.94 55.19,41.94 55.09,42.04 50.57,42.04 49.77,42.84 49.17,42.84 47.22,44.79 45.12,44.79 44.51,44.18 44.51,42.66 v1(45.79,41.38) 45.79,41.53 46.41,42.15 46.94,42.15 47.32,41.78 47.32,41.39 48.04,40.67 48.04,40.27 48.63,39.68 U1.21
SWC: length 31.1
  Top w0.2: v1(44.93,30.99) 40.53,30.99 39.95,30.94
  Bottom w0.2: v1(44.93,30.99) 45.02,30.9 49.87,30.9 50.17,31.19 50.7,31.19 50.88,31.02 52.87,31.02 53.45,30.94 54.05,31.26 54.07,31.28 54.1,31.28 54.47,31.65 54.47,38.65 55.59,39.78 62.34,39.78 JP16.4
SWD: length 34.5
  Top w0.2: v1(46.06,29.37) 45.66,29.77 40.53,29.77 U1.32
  Bottom w0.2: JP16.3 64.44,39.34 61.86,39.34 55.78,39.34 54.9,38.46 54.9,30.92 54.09,30.11 U1.32 52.78,29.63 52.77,29.63 52.58,29.43 51.65,29.43 51.64,29.45 46.14,29.45 v1(46.06,29.37)
Net-(D1-Pad1): length 25.4
  Top w0.2: R3.1 6.97,36 6.97,35.72 v1(7.19,35.5) ; v1(4.83,18.15) 5.83,18.15 D1.1
  Bottom w0.2: v1(4.83,18.15) 5.82,18.15 D1.1 6.5,18.73 6.52,18.75 6.69,18.75 9,21.06 9,24.04 6.55,26.49 6.55,35.86 6.63,35.95 6.63,36.09 R3.1 6.97,36 6.97,35.72 v1(7.19,35.5)
Net-(D2-Pad1): length 97.8
  Top w0.2: v1(56.7,48.73) 56.7,51.41 58.09,52.79 58.09,54.95 59.56,56.43 67.21,56.43 74.51,63.72 74.51,64.47 74.84,64.8 76.12,64.8 76.24,64.68 76.24,61.44 76.45,60.59 ; v1(56.7,48.73) 56.37,48.39 56.37,47.83 56.14,47.15 ; v1(56.7,48.73) 57.09,48.73 57.82,48.01 57.82,47.83 U3.1 ; v1(37.69,48.84) 37.71,48.81 37.71,48.24 D2.1
  Bottom w0.2: D2.1 37.71,48.24 37.71,48.81 v1(37.69,48.84) 37.63,48.84 36.29,47.5 36.29,47.47 36.03,47.21 36.03,45.2 37.18,44.05 40.3,44.05 43.92,47.68 55.91,47.68 56.14,47.15 ; Q1.2 74.25,59.74 72.42,59.74 66.18,53.49 66.18,51.53 62.91,48.27 62.91,48.02 62.14,47.25 60.57,47.25 58.81,49.01 56.98,49.01 v1(56.7,48.73) 56.37,48.39 56.37,47.83 56.14,47.15 ; U3.1 57.82,46.47 57.82,46.3 57.54,46.02 56.62,46.02 56.37,46.28 56.37,46.47 56.14,47.15
Net-(D3-Pad1): length 20.5
  Top w0.2: D3.1 11.26,18.3 v1(10.34,18.3) 10.02,18.61 10.02,24.02 11.97,25.96 11.97,26.19 14.06,28.29 17.25,28.29 v1(18.19,29.23) 18.61,29.65 R8.1
  Bottom w0.2: D3.1 11.26,18.3 v1(10.34,18.3) ; v1(18.19,29.23) 18.92,29.96 R8.1
Net-(R3-Pad2): length 82.9
  Top w0.2: v1(23.51,45.46) 23.51,44.58 21.55,42.62 17.4,42.62 10.27,35.49 v1(8.39,35.49) 8.39,36.09 R3.2 ; U2.1 56.77,80.19 57.4,80.19 v1(57.41,80.2)
  Bottom w0.2: v1(23.51,45.46) 24.81,46.76 24.81,48.27 28.08,51.53 28.08,56.64 39.01,67.57 39.01,76.18 45.59,82.76 54.08,82.76 54.75,82.09 55.41,82.09 U2.1 56.77,81.64 56.95,81.64 57.41,81.18 v1(57.41,80.2) ; v1(8.39,35.49) 8.39,36.09 R3.2
Net-(R4-Pad1): length 14.5
  Top w0.2: R4.1 47,81.15 47.58,81.15 v1(47.6,81.16) 48.57,80.19 52.71,80.19 U2.5
  Bottom w0.2: U2.5 52.71,82.09 52.57,82.09 52.34,82.32 48.75,82.32 v1(47.6,81.16) 47.58,81.15 47,81.15 R4.1

## Copper pours and planes (outline as drawn; the poured copper is in the pictures)
GND on Top, Bottom: 57.4,99.87 57.4,97.87 58.4,96.87 75.4,96.87 76.4,95.87 76.4,90.87 77.4,89.87 95.4,89.87 95.4,31.87 76.4,31.87 76.4,37.87 74.4,38.87 56.4,38.87 55.4,37.87 55.4,23.87 37.4,23.87 37.4,19.87 19.4,19.87 19.4,16.87 0.4,16.87 -0.6,17.87 -0.39,95.45 1,96.78 36.4,96.87 37.4,97.87 37.4,99.87 38.4,100.87 56.4,100.87
GND on Top, Bottom: 75.4,37.47 75.4,20.47 76.4,19.47 99.4,19.47 99.4,-0.53 41.65,-0.53 41.65,19.07 56.4,19.07 56.4,37.47 57.4,38.47 74.4,38.47
GND on Top, Bottom: 40.9,-0.13 21.4,-0.13 21.4,18.87 40.9,18.87

## Text on the board
B.Silkscreen: V0.2 / by krikun98 | CHARGER
F.Silkscreen: V0.2 / by krikun98 | CHARGER
